# Altium PCB Thunderscope_Rev2.PCBDOC (part 5 of 6) (continued)
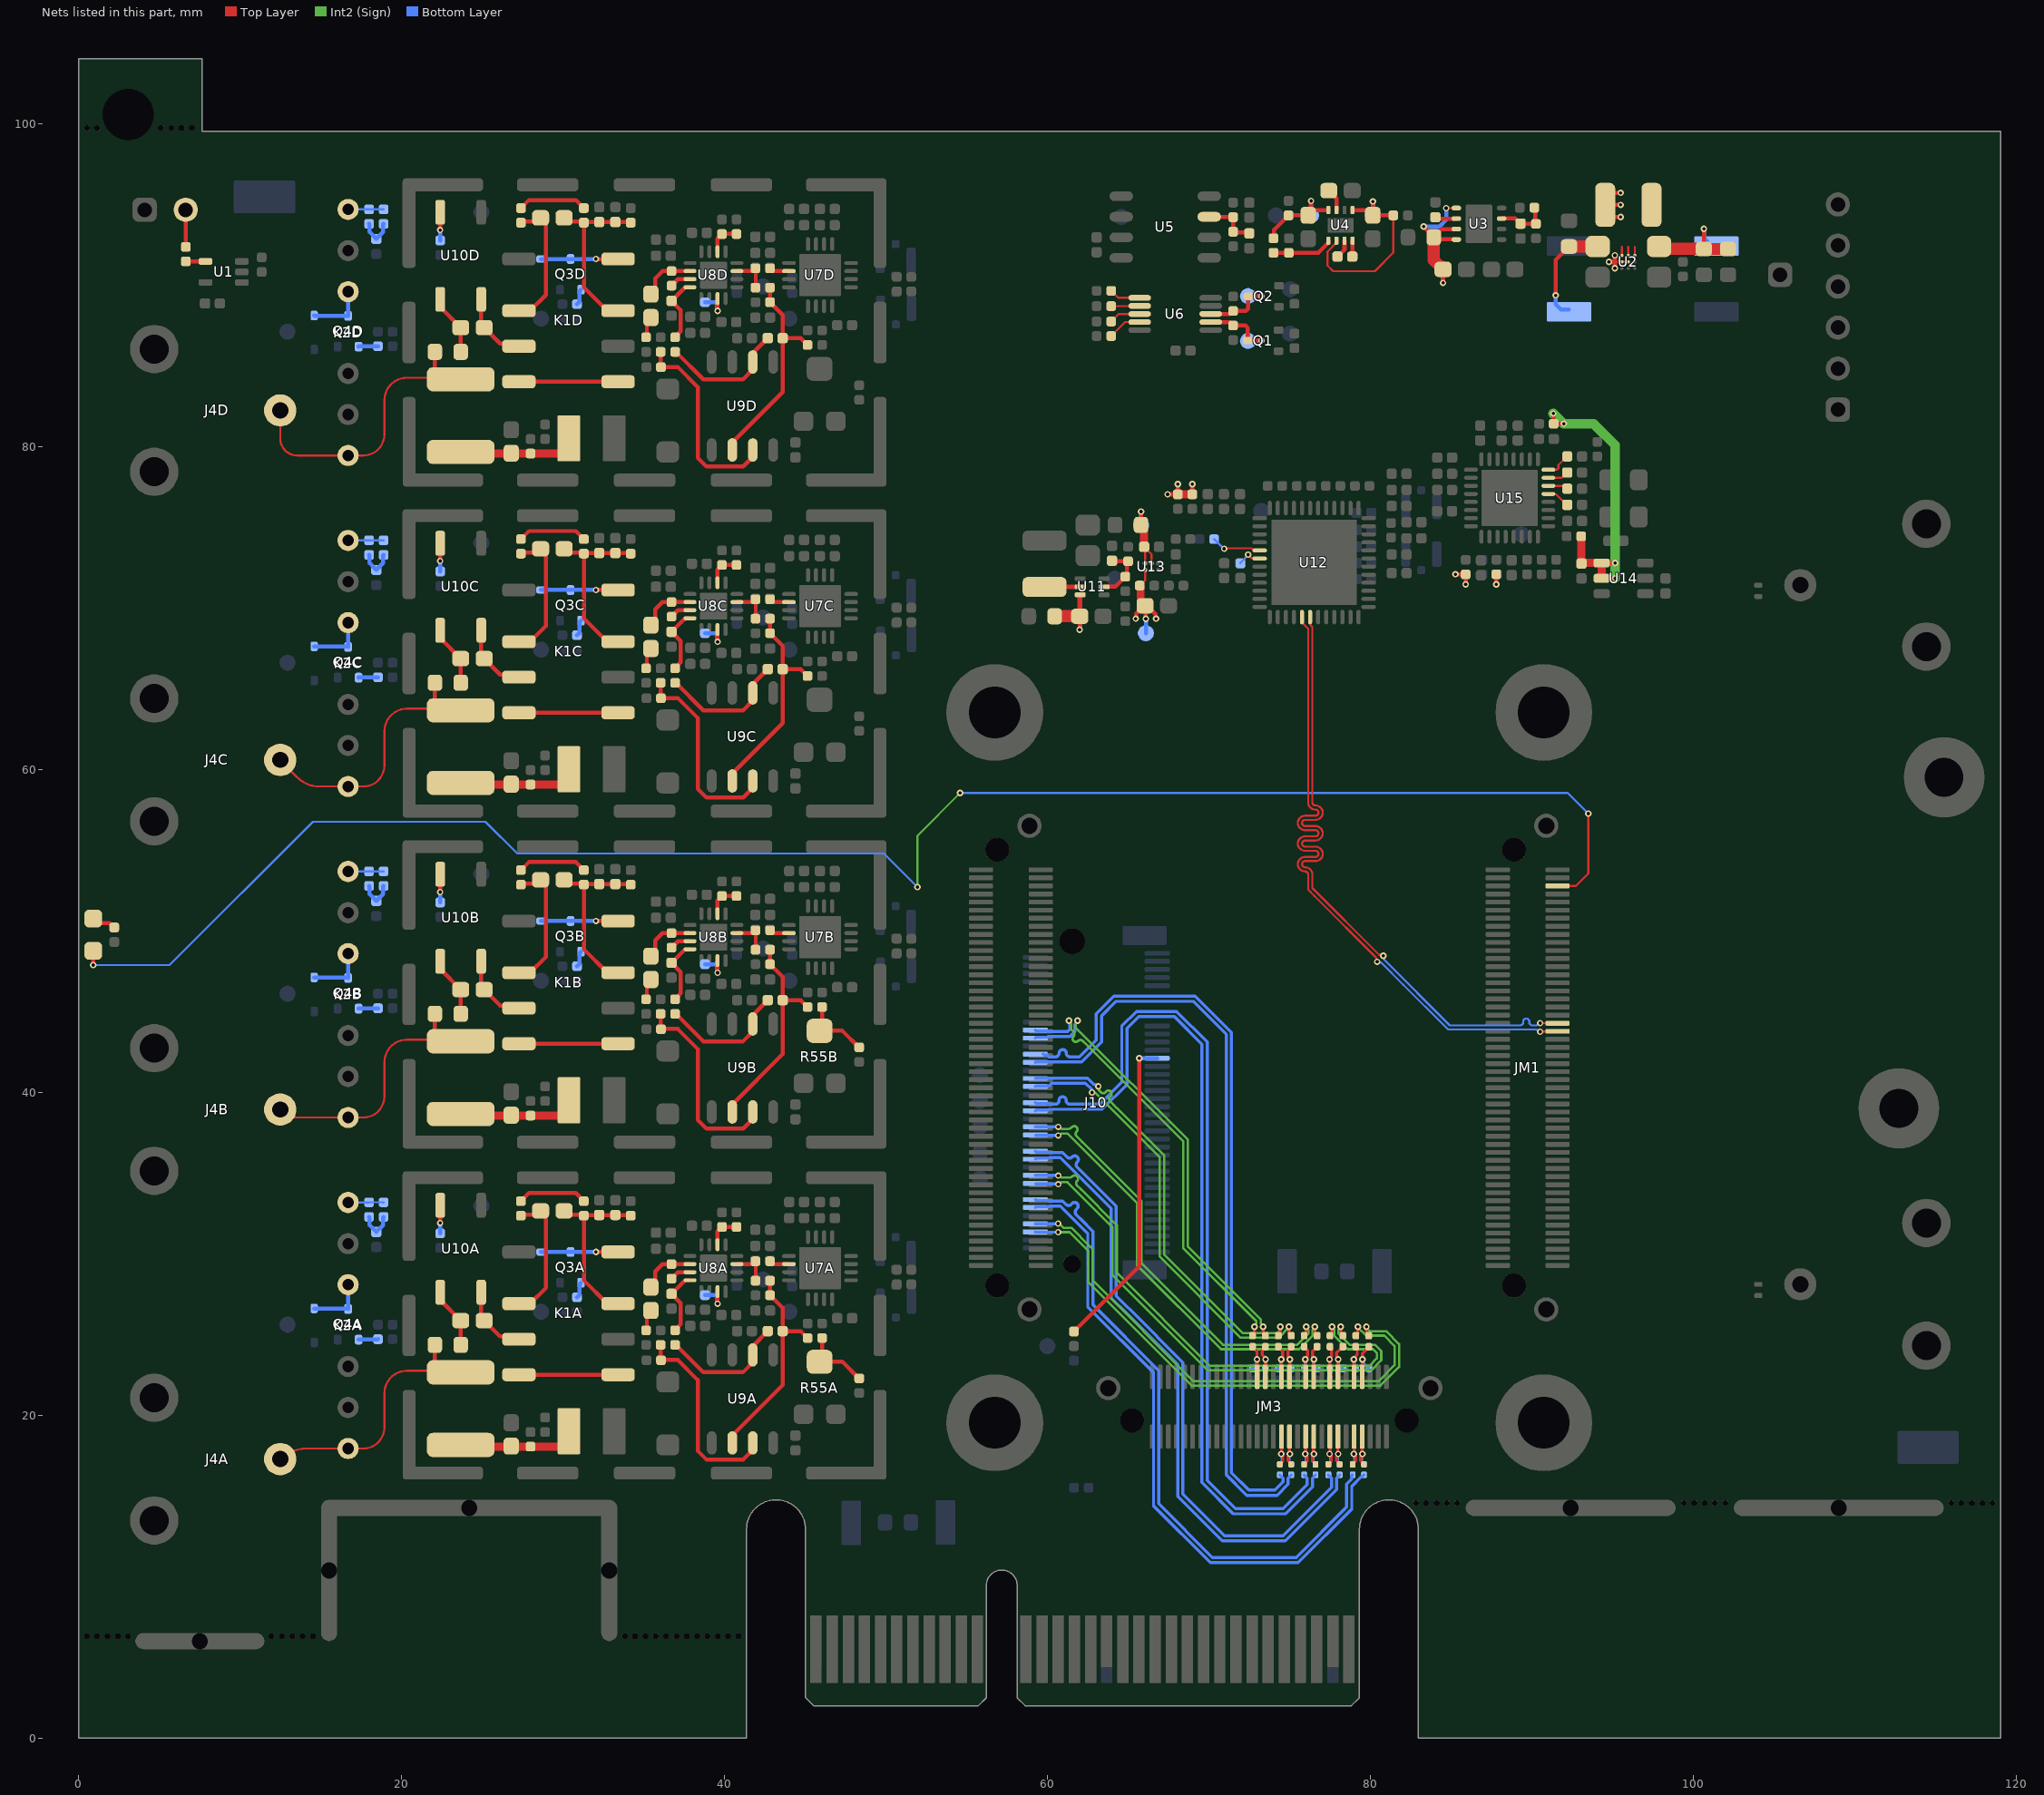
[diagram p9: the nets of this part, all layers, seen from the top]
## Nets (pads, with @x,y where several pads share a name; then routed paths per layer and width w, separated by ;. In a path a pad name is that pad's centre, name@x,y a point inside that pad or via, vN(x,y) a via of type N, cw(c..) or ccw(c..) an arc to the next point about the centre after c; other vN are vias at no path point) (continued)
NetC10_2: C10.2 U3.6 | length 1.3
  Top Layer w0.254: C10.2@84,94.19 84.09,94.1 85.295,94.1 U3.6@85.3,94.105
NetC11_2: C11.2 U4.3 | length 1.4
  Top Layer w0.254: C11.2@77.401,95.834 77.401,95.825 77.876,95.35 U4.3@77.876,94.634
NetC17A_1: C17A.1 K1A.3 U10A.4 | length 4.5
  Top Layer w0.25: K1A.3@27.224,24.669 K1A.3@27.255,24.7 K1A.3@27.224,24.669
  Top Layer w0.254: U10A.4@24.92,27.605 24.92,26.03 26.081,24.869 27.086,24.869 K1A.3@27.255,24.7
NetC17A_2: C17A.2 R65A.2 U10A.3 | length 3.8
  Top Layer w0.254: U10A.3@22.38,27.605 22.38,27.123 23.65,25.853 C17A.2@23.65,25.85 R65A.2@23.65,24.35
NetC17B_1: C17B.1 K1B.3 U10B.4 | length 4.5
  Top Layer w0.25: K1B.3@27.224,45.169 K1B.3@27.255,45.2 K1B.3@27.224,45.169
  Top Layer w0.254: U10B.4@24.92,48.105 24.92,46.53 26.081,45.369 27.086,45.369 K1B.3@27.255,45.2
NetC17B_2: C17B.2 R65B.2 U10B.3 | length 3.8
  Top Layer w0.254: U10B.3@22.38,48.105 22.38,47.623 23.65,46.353 C17B.2@23.65,46.35 R65B.2@23.65,44.85
NetC17C_1: C17C.1 K1C.3 U10C.4 | length 4.5
  Top Layer w0.25: K1C.3@27.224,65.669 K1C.3@27.255,65.7
  Top Layer w0.254: U10C.4@24.92,68.605 24.92,67.03 26.081,65.869 27.086,65.869 K1C.3@27.255,65.7
NetC17C_2: C17C.2 R65C.2 U10C.3 | length 3.8
  Top Layer w0.254: U10C.3@22.38,68.605 22.38,68.123 23.65,66.853 C17C.2@23.65,66.85 R65C.2@23.65,65.35
NetC17D_1: C17D.1 K1D.3 U10D.4 | length 4.5
  Top Layer w0.254: U10D.4@24.92,89.105 24.92,87.53 26.081,86.369 27.086,86.369 K1D.3@27.255,86.2
NetC17D_2: C17D.2 R65D.2 U10D.3 | length 3.8
  Top Layer w0.254: U10D.3@22.38,89.105 22.38,88.623 23.65,87.353 C17D.2@23.65,87.35 R65D.2@23.65,85.85
NetC19A_1: C19A.1 C20A.2 C21A.2 K1A.7 R25A.2 R26A.2 | length 11
  Top Layer w0.25: C19A.1@30.05,32.65 30.287,32.413 31.212,32.413 R25A.2@31.275,32.35 ; K1A.7@33.395,26.9 32.725,26.9 31.275,28.35 R25A.2@31.275,32.35 ; R26A.2@34.175,32.35 34.135,32.39 C20A.2@32.225,32.39 31.315,32.39 R25A.2@31.275,32.35
NetC19A_2: C19A.2 K1A.2 R24A.1 | length 8.3
  Top Layer w0.25: K1A.2@27.255,26.9 27.95,26.9 28.925,27.875 28.925,32.325 C19A.2@28.6,32.65 28.363,32.413 27.438,32.413 R24A.1@27.375,32.35
NetC19B_1: C19B.1 C20B.2 C21B.2 K1B.7 R25B.2 R26B.2 | length 11
  Top Layer w0.25: C19B.1@30.05,53.15 30.287,52.913 31.212,52.913 R25B.2@31.275,52.85 ; K1B.7@33.395,47.4 32.725,47.4 31.275,48.85 R25B.2@31.275,52.85 ; R26B.2@34.175,52.85 34.135,52.89 C20B.2@32.225,52.89 31.315,52.89 R25B.2@31.275,52.85
NetC19B_2: C19B.2 K1B.2 R24B.1 | length 8.3
  Top Layer w0.25: K1B.2@27.255,47.4 27.95,47.4 28.925,48.375 28.925,52.825 C19B.2@28.6,53.15 28.363,52.913 27.438,52.913 R24B.1@27.375,52.85
NetC19C_1: C19C.1 C20C.2 C21C.2 K1C.7 R25C.2 R26C.2 | length 11
  Top Layer w0.25: C19C.1@30.05,73.65 30.287,73.413 31.212,73.413 R25C.2@31.275,73.35 ; K1C.7@33.395,67.9 32.725,67.9 31.275,69.35 R25C.2@31.275,73.35 ; R26C.2@34.175,73.35 34.135,73.39 C20C.2@32.225,73.39 31.315,73.39 R25C.2@31.275,73.35
NetC19C_2: C19C.2 K1C.2 R24C.1 | length 8.3
  Top Layer w0.25: K1C.2@27.255,67.9 27.95,67.9 28.925,68.875 28.925,73.325 C19C.2@28.6,73.65 28.363,73.413 27.438,73.413 R24C.1@27.375,73.35
NetC19D_1: C19D.1 C20D.2 C21D.2 K1D.7 R25D.2 R26D.2 | length 11
  Top Layer w0.25: C19D.1@30.05,94.15 30.287,93.913 31.212,93.913 R25D.2@31.275,93.85 ; K1D.7@33.395,88.4 32.725,88.4 31.275,89.85 R25D.2@31.275,93.85 ; R26D.2@34.175,93.85 34.135,93.89 C20D.2@32.225,93.89 31.315,93.89 R25D.2@31.275,93.85
NetC19D_2: C19D.2 K1D.2 R24D.1 | length 8.3
  Top Layer w0.25: K1D.2@27.255,88.4 27.95,88.4 28.925,89.375 28.925,93.825 C19D.2@28.6,94.15 28.363,93.913 27.438,93.913 R24D.1@27.375,93.85
NetC27A_1: C27A.1 R34A.2 U8A.2 | length 3.4
  Top Layer w0.25: C27A.1@35.425,27.925 35.7,28.2 35.7,28.9 36.15,29.35 R34A.2@36.7,29.35 37.575,29.35 U8A.2@37.85,29.35
NetC27A_2: C27A.2 R31A.2 | length 1.5
  Top Layer w0.25: C27A.2@35.113,26.162 35.175,26.099 R31A.2@35.175,25.301 ; C27A.2@35.125,26.175 35.275,26.325 C27A.2@35.425,26.475 ; R31A.2@35.125,25.25 R31A.2@35.175,25.301 ; R31A.2@35.125,25.25 R31A.2@35.175,25.301 ; R31A.2@35.125,25.25 R31A.2@35.175,25.301
NetC27B_1: C27B.1 R34B.2 U8B.2 | length 3.4
  Top Layer w0.25: C27B.1@35.425,48.425 35.7,48.7 35.7,49.4 36.15,49.85 R34B.2@36.7,49.85 37.575,49.85 U8B.2@37.85,49.85
NetC27B_2: C27B.2 R31B.2 | length 1.5
  Top Layer w0.25: C27B.2@35.113,46.662 35.175,46.599 R31B.2@35.175,45.801 ; C27B.2@35.125,46.675 35.275,46.825 C27B.2@35.425,46.975 ; R31B.2@35.125,45.75 R31B.2@35.175,45.801 ; R31B.2@35.125,45.75 R31B.2@35.175,45.801 ; R31B.2@35.125,45.75 R31B.2@35.175,45.801
NetC27C_1: C27C.1 R34C.2 U8C.2 | length 3.4
  Top Layer w0.25: C27C.1@35.425,68.925 35.7,69.2 35.7,69.9 36.15,70.35 R34C.2@36.7,70.35 37.575,70.35 U8C.2@37.85,70.35
NetC27C_2: C27C.2 R31C.2 | length 1.5
  Top Layer w0.25: C27C.2@35.113,67.162 35.175,67.1 R31C.2@35.175,66.301 ; C27C.2@35.125,67.175 35.275,67.325 C27C.2@35.425,67.475 ; R31C.2@35.125,66.25 R31C.2@35.175,66.301 ; R31C.2@35.125,66.25 R31C.2@35.175,66.301 ; R31C.2@35.125,66.25 R31C.2@35.175,66.301
NetC27D_1: C27D.1 R34D.2 U8D.2 | length 3.4
  Top Layer w0.25: C27D.1@35.425,89.425 35.7,89.7 35.7,90.4 36.15,90.85 R34D.2@36.7,90.85 37.575,90.85 U8D.2@37.85,90.85
NetC27D_2: C27D.2 R31D.2 | length 1.5
  Top Layer w0.25: C27D.2@35.113,87.662 35.175,87.599 R31D.2@35.175,86.801 ; C27D.2@35.125,87.675 35.275,87.825 C27D.2@35.425,87.975 ; R31D.2@35.125,86.75 R31D.2@35.175,86.801 ; R31D.2@35.125,86.75 R31D.2@35.175,86.801 ; R31D.2@35.125,86.75 R31D.2@35.175,86.801
NetC29A_2: C29A.2 R48A.1 U8A.4 | length 4.1
  Top Layer w0.25: R48A.1@36.925,25.25 36.925,25.264 37.1,25.439 37.1,25.453 37.275,25.628 37.275,26.935 C29A.2@36.7,27.51 37.289,28.099 37.291,28.099 37.542,28.35 U8A.4@37.85,28.35
NetC29B_2: C29B.2 R48B.1 U8B.4 | length 4.1
  Top Layer w0.25: R48B.1@36.925,45.75 36.925,45.764 37.1,45.939 37.1,45.953 37.275,46.128 37.275,47.435 C29B.2@36.7,48.01 37.289,48.599 37.291,48.599 37.542,48.85 U8B.4@37.85,48.85
NetC29C_2: C29C.2 R48C.1 U8C.4 | length 4.1
  Top Layer w0.25: R48C.1@36.925,66.25 36.925,66.264 37.1,66.439 37.1,66.453 37.275,66.628 37.275,67.935 C29C.2@36.7,68.51 37.289,69.1 37.291,69.1 37.542,69.35 U8C.4@37.85,69.35
NetC29D_2: C29D.2 R48D.1 U8D.4 | length 4.1
  Top Layer w0.25: R48D.1@36.925,86.75 36.925,86.764 37.1,86.939 37.1,86.953 37.275,87.128 37.275,88.435 C29D.2@36.7,89.01 37.289,89.6 37.291,89.6 37.542,89.85 U8D.4@37.85,89.85
NetC30A_1: C30A.1 R48A.2 U9A.6 | length 8.1
  Top Layer w0.25: R48A.2@36.925,24.35 36.972,24.35 38.672,22.65 41.125,22.65 41.735,23.26 41.735,24.27 C30A.1@42.665,25.2
NetC30A_2: C30A.2 R43A.1 R47A.2 R52A.2 U9A.2 | length 13.4
  Top Layer w0.25: U9A.2@40.465,18.275 40.465,18.74 43.585,21.86 C30A.2@43.585,25.2 ; R43A.1@42.8,28.325 R47A.2@42.8,27.425 43.585,26.64 C30A.2@43.585,25.2 ; R52A.2@45.125,24.775 44.7,25.2 C30A.2@43.585,25.2
NetC30B_1: C30B.1 R48B.2 U9B.6 | length 8.1
  Top Layer w0.25: R48B.2@36.925,44.85 36.972,44.85 38.672,43.15 41.125,43.15 41.735,43.76 41.735,44.77 C30B.1@42.665,45.7
NetC30B_2: C30B.2 R43B.1 R47B.2 R52B.2 U9B.2 | length 13.4
  Top Layer w0.25: U9B.2@40.465,38.775 40.465,39.24 43.585,42.36 C30B.2@43.585,45.7 ; R43B.1@42.8,48.825 R47B.2@42.8,47.925 43.585,47.14 C30B.2@43.585,45.7 ; R52B.2@45.125,45.275 44.7,45.7 C30B.2@43.585,45.7
NetC30C_1: C30C.1 R48C.2 U9C.6 | length 8.1
  Top Layer w0.25: R48C.2@36.925,65.35 36.972,65.35 38.672,63.65 41.125,63.65 41.735,64.26 41.735,65.27 C30C.1@42.665,66.2
NetC30C_2: C30C.2 R43C.1 R47C.2 R52C.2 U9C.2 | length 13.4
  Top Layer w0.25: U9C.2@40.465,59.275 40.465,59.74 43.585,62.86 C30C.2@43.585,66.2 ; R43C.1@42.8,69.325 R47C.2@42.8,68.425 43.585,67.64 C30C.2@43.585,66.2 ; R52C.2@45.125,65.775 44.7,66.2 C30C.2@43.585,66.2
NetC30D_1: C30D.1 R48D.2 U9D.6 | length 8.1
  Top Layer w0.25: R48D.2@36.925,85.85 36.972,85.85 38.672,84.15 41.125,84.15 41.735,84.76 41.735,85.77 C30D.1@42.665,86.7
NetC30D_2: C30D.2 R43D.1 R47D.2 R52D.2 U9D.2 | length 13.4
  Top Layer w0.25: U9D.2@40.465,79.775 40.465,80.24 43.585,83.36 C30D.2@43.585,86.7 ; R43D.1@42.8,89.825 R47D.2@42.8,88.925 43.585,88.14 C30D.2@43.585,86.7 ; R52D.2@45.125,86.275 44.7,86.7 C30D.2@43.585,86.7
NetC51_1: C51.1 R37.1 R39.2 U11.5 | length 3.6
  Top Layer w0.254: U11.5@63.49,71.3 64.175,71.3 64.9,72.025 64.9,72.8 R37.1@64.975,72.875 64.955,72.895 63.995,72.895 C51.1@63.975,72.915
NetC52_2: C52.2 R36.2 TP27.1 U11.3 | length 4.5
  Top Layer w0.254: v1(61.975,68.645) C52.2@61.975,69.475 C52.2@61.992,69.492 ; U11.3@61.992,70.782 U11.3@62.01,70.8
  Top Layer w0.3: C52.2@61.992,69.492 U11.3@61.992,70.782
  Top Layer w0.75: R36.2@60.425,69.475 C52.2@61.975,69.475
  Bottom Layer w0.254: v1(61.975,68.645) TP27.1@61.975,69.475
NetC59_2: C59.2 R58.2 TP36.1 U13.A2 U13.B2 | length 5.3
  Top Layer w0.127: C59.2@65.965,73.775 C59.2@66.025,73.715 ; U13.A2@66.025,72.75 C59.2@66.025,73.715 ; U13.B2@66.425,72.75 66.425,73.315 C59.2@66.025,73.715
  Top Layer w0.254: R58.2@65.775,75.125 v1(65.775,75.955)
  Top Layer w0.5: R58.2@65.775,75.125 65.965,74.935 C59.2@65.965,73.775
  Bottom Layer w0.254: TP36.1@65.775,75.125 v1(65.775,75.955)
NetC60_2: C60.2 FB1.1 FB2.1 FB3.1 FB4.1 R59.2 TP37.1 U13.A1 | length 11.1
  Top Layer w0.127: R59.2@65.7,71.375 66.025,71.7 U13.A1@66.025,72.35
  Top Layer w0.254: v1(65.45,69.325) 65.465,69.34 65.465,69.628 65.962,70.125 65.975,70.125 C60.2@66.025,70.125 ; v1(66.075,69.32) 66.05,69.345 66.05,70.1 C60.2@66.025,70.125 ; v1(66.7,69.325) 66.671,69.354 66.671,69.589 66.135,70.125 C60.2@66.025,70.125 ; v1(67.42,77.025) FB2.1@68.05,77.025 v1(68.05,77.655) ; FB1.1@68.95,77.025 v1(68.95,77.655) ; v1(85.245,72.075) FB3.1@85.875,72.075 v1(85.875,71.445) ; v1(87.775,71.445) FB4.1@87.775,72.075
  Top Layer w0.5: R59.2@65.7,71.375 65.75,71.325 65.75,70.35 C60.2@65.975,70.125 ; FB2.1@68.05,77.025 FB1.1@68.95,77.025
  Bottom Layer w0.254: TP37.1@66.075,68.425 v1(66.075,69.32)
NetC92_2: C92.2 FB5.1 FB6.1 U14.1 U14.2 | length 19.8
  Top Layer w0.254: v1(91.3,82.03) 91.312,82.018 91.312,81.412 91.3,81.4 FB5.1@91.325,81.4 v1(91.955,81.4) ; U14.2@94.3,71.825 v1(95.13,71.825) ; U14.1@94.3,72.775 v1(95.13,72.775)
  Top Layer w0.5: FB6.1@93.025,74.425 93.037,74.413 93.037,72.748 C92.2@93.05,72.735 93.09,72.775 U14.1@94.3,72.775 U14.2@94.3,71.825
  Int2 (Sign) w0.6: v1(91.3,82.03) 91.312,82.03 91.943,81.4 v1(91.955,81.4) 93.8,81.4 95.13,80.07 v1(95.13,72.775) v1(95.13,71.825)
NetC96_1: C96.1 U15.8 | length 1.6
  Top Layer w0.127: U15.8@91,78.55 91.551,78.55 91.625,78.624 91.625,78.835 C96.1@92.165,79.375
NetC97_1: C97.1 U15.7 | length 1.3
  Top Layer w0.127: U15.7@91,78.05 91.834,78.05 92.159,78.375 C97.1@92.165,78.375
NetC98_1: C98.1 U15.6 | length 1.2
  Top Layer w0.127: U15.6@91,77.55 91.99,77.55 C98.1@92.165,77.375
NetC99_1: C99.1 U15.5 | length 1.4
  Top Layer w0.127: U15.5@91,77.05 91.024,77.026 91.484,77.026 92.136,76.375 C99.1@92.165,76.375
NetC100_2: C100.2 R14.1 R16.2 U5.3 | length 3.4
  Top Layer w0.254: U5.3@70,94.215 70.013,94.203 71.463,94.203 R16.2@71.475,94.19 R14.1@71.475,93.29 71.528,93.238 72.422,93.238 C100.2@72.475,93.185
NetC101A_1: C101A.1 GDT1A.2 R99A.2 VAR1A.2 | length 7.5
  Top Layer w0.127: VAR1A.2@29.714,18.25 30.35,18.886 VAR1A.2@30.35,19
  Top Layer w0.5: GDT1A.2@23.85,18.05 C101A.1@26.75,18.05 ; C101A.1@26.8,18.05 R99A.2@27.975,18.05 VAR1A.2@30.4,18.05
NetC101B_1: C101B.1 GDT1B.2 R99B.2 VAR1B.2 | length 7.5
  Top Layer w0.127: VAR1B.2@29.714,38.75 30.35,39.386 VAR1B.2@30.35,39.5
  Top Layer w0.5: GDT1B.2@23.85,38.55 C101B.1@26.75,38.55 ; C101B.1@26.8,38.55 R99B.2@27.975,38.55 VAR1B.2@30.4,38.55
NetC101C_1: C101C.1 GDT1C.2 R99C.2 VAR1C.2 | length 7.5
  Top Layer w0.127: VAR1C.2@29.714,59.25 30.35,59.886 VAR1C.2@30.35,60
  Top Layer w0.5: GDT1C.2@23.85,59.05 C101C.1@26.75,59.05 ; C101C.1@26.8,59.05 R99C.2@27.975,59.05 VAR1C.2@30.4,59.05
NetC101D_1: C101D.1 GDT1D.2 R99D.2 VAR1D.2 | length 7.8
  Top Layer w0.127: VAR1D.2@29.714,79.75 30.35,80.386 VAR1D.2@30.35,80.5
  Top Layer w0.5: GDT1D.2@23.65,79.75 23.85,79.55 C101D.1@26.75,79.55 ; C101D.1@26.8,79.55 R99D.2@27.975,79.55 29.714,79.55 VAR1D.2@30.4,79.55
NetD1_2: D1.2 R67.1 | length 1.4
  Top Layer w0.254: D1.2@0.9,50.5 0.925,50.475 1.912,50.475 2.188,50.2 R67.1@2.2,50.2
NetD2A_2: D2A.2 K1A.8 Q3A.1 | length 4.8
  Top Layer w0.254: v1(32.025,30.1) K1A.8@33.395,30.1
  Bottom Layer w0.254: D2A.2@28.63,30.1 Q3A.1@30.45,30.1 v1(32.025,30.1)
NetD2B_2: D2B.2 K1B.8 Q3B.1 | length 4.8
  Top Layer w0.254: v1(32.025,50.6) K1B.8@33.395,50.6
  Bottom Layer w0.254: D2B.2@28.63,50.6 Q3B.1@30.45,50.6 v1(32.025,50.6)
NetD2C_2: D2C.2 K1C.8 Q3C.1 | length 4.8
  Top Layer w0.254: v1(32.025,71.1) K1C.8@33.395,71.1
  Bottom Layer w0.254: D2C.2@28.63,71.1 Q3C.1@30.45,71.1 v1(32.025,71.1)
NetD2D_2: D2D.2 K1D.8 Q3D.1 | length 4.8
  Top Layer w0.254: v1(32.025,91.6) K1D.8@33.395,91.6
  Bottom Layer w0.254: D2D.2@28.63,91.6 Q3D.1@30.45,91.6 v1(32.025,91.6)
NetD3A_2: D3A.2 K2A.3 Q4A.1 | length 3.6
  Bottom Layer w0.254: D3A.2@14.575,26.605 14.59,26.59 16.66,26.59 Q4A.1@16.675,26.575 K2A.3@16.675,28.078
NetD3B_2: D3B.2 K2B.3 Q4B.1 | length 3.6
  Bottom Layer w0.254: D3B.2@14.575,47.105 14.59,47.09 16.66,47.09 Q4B.1@16.675,47.075 K2B.3@16.675,48.578
NetD3C_2: D3C.2 K2C.3 Q4C.1 | length 3.6
  Bottom Layer w0.254: D3C.2@14.575,67.605 14.59,67.59 16.66,67.59 Q4C.1@16.675,67.575 K2C.3@16.675,69.078
NetD3D_2: D3D.2 K2D.3 Q4D.1 | length 3.6
  Bottom Layer w0.254: D3D.2@14.575,88.105 14.59,88.09 16.66,88.09 Q4D.1@16.675,88.075 K2D.3@16.675,89.578
NetGDT1A_1: GDT1A.1 J4A.1 K2A.1 R65A.1 | length 16.8
  Top Layer w0.127: J4A.1@12.475,17 J4A.1@12.662,17.187 ; J4A.1@12.475,17.25 cw(c14.118,15.607) 14.118,17.931 K2A.1@16.675,17.931 17.624,17.931 ccw(c17.624,19.232) 18.925,19.232 18.925,21.347 cw(c20.328,21.347) 20.328,22.75 23.529,22.75 GDT1A.1@23.65,22.75
  Top Layer w0.254: GDT1A.1@22.051,22.78 R65A.1@22.051,24.349
NetGDT1B_1: GDT1B.1 J4B.1 K2B.1 R65B.1 | length 16.8
  Top Layer w0.127: J4B.1@12.475,38.65 J4B.1@12.694,38.431 ; J4B.1@12.475,38.9 ccw(c13.608,40.033) 13.608,38.431 K2B.1@16.675,38.431 17.624,38.431 ccw(c17.624,39.732) 18.925,39.732 18.925,41.847 cw(c20.328,41.847) 20.328,43.25 GDT1B.1@23.65,43.25
  Top Layer w0.254: GDT1B.1@22.051,43.28 R65B.1@22.051,44.849
NetGDT1C_1: GDT1C.1 J4C.1 K2C.1 R65C.1 | length 16.9
  Top Layer w0.127: J4C.1@12.475,60.55 13.527,59.498 ccw(c14.896,60.867) 14.896,58.931 K2C.1@16.675,58.931 17.624,58.931 ccw(c17.624,60.232) 18.925,60.232 18.925,62.347 cw(c20.328,62.347) 20.328,63.75 GDT1C.1@23.529,63.75
  Top Layer w0.254: GDT1C.1@22.051,63.78 R65C.1@22.051,65.349
NetGDT1D_1: GDT1D.1 J4D.1 K2D.1 R65D.1 | length 18.8
  Top Layer w0.127: J4D.1@12.475,82.2 12.475,80.477 ccw(c13.521,80.477) 13.521,79.431 K2D.1@16.675,79.431 17.624,79.431 ccw(c17.624,80.732) 18.925,80.732 18.925,82.847 cw(c20.328,82.847) 20.328,84.25 22.081,84.25 GDT1D.1@23.65,84.25
  Top Layer w0.254: R65D.1@22.05,85.85 22.051,85.849 22.051,84.28 GDT1D.1@22.081,84.25
NetJ1_2: J1.2 R1.1 | length 2.2
  Top Layer w0.254: J1.2@6.62,94.5 6.623,94.497 6.623,92.353 R1.1@6.625,92.35
NetK1A_4: K1A.4 K1A.5 | length 6.1
  Top Layer w0.25: K1A.4@27.255,22.5 K1A.5@33.395,22.5
NetK1B_4: K1B.4 K1B.5 | length 6.1
  Top Layer w0.25: K1B.4@27.255,43 K1B.5@33.395,43
NetK1C_4: K1C.4 K1C.5 | length 6.1
  Top Layer w0.25: K1C.4@27.255,63.5 K1C.5@33.395,63.5
NetK1D_4: K1D.4 K1D.5 | length 6.1
  Top Layer w0.25: K1D.4@27.255,84 K1D.5@33.395,84
NetK2A_4: K2A.4 R56A.2 R96A.2 | length 2.2
  Bottom Layer w0.127: K2A.4@16.675,33.169 16.672,33.172 R56A.2@17.975,33.172 ; R56A.2@17.975,33.175 R96A.2@18.875,33.175 R96A.2@18.878,33.172
NetK2B_4: K2B.4 R56B.2 R96B.2 | length 2.2
  Bottom Layer w0.127: K2B.4@16.675,53.669 16.672,53.672 R56B.2@17.975,53.672 ; R56B.2@17.975,53.675 R96B.2@18.875,53.675 R96B.2@18.878,53.672
NetK2C_4: K2C.4 R56C.2 R96C.2 | length 2.2
  Bottom Layer w0.127: K2C.4@16.675,74.169 16.672,74.172 R56C.2@17.975,74.172 ; R56C.2@17.975,74.175 R96C.2@18.875,74.175 R96C.2@18.878,74.172
NetK2D_4: K2D.4 R56D.2 R96D.2 | length 2.2
  Bottom Layer w0.127: K2D.4@16.675,94.669 16.672,94.672 R56D.2@17.975,94.672 ; R56D.2@17.975,94.675 R96D.2@18.875,94.675 R96D.2@18.878,94.672
NetL1_2: L1.2 U2.B1 U2.B2 | length 6.8
  Top Layer w0.127: 95.115,91.425 U2.B1@95.55,91.425 U2.B2@95.95,91.425
  Top Layer w0.254: v1(94.75,91.425) 95.115,91.425 ; L1.2@94.989,94.012 94.515,94.487 L1.2@94.515,94.674 ; L1.2@94.989,95.7 v1(95.475,95.7) ; L1.2@94.989,95.825 94.515,95.351 L1.2@94.515,94.95 ; v1(95.115,91.025) 95.115,91.425 ; v1(95.115,91.825) 95.115,91.425 ; v1(95.475,94.2) 94.989,94.2 L1.2@94.515,94.674 ; v1@95.475,94.958 94.523,94.958 L1.2@94.515,94.95 ; L1.2@94.515,94.674 L1.2@94.515,94.95
  other v1: 95.475,94.95
NetL2_1: L2.1 U11.2 | length 2.2
  Top Layer w0.254: L2.1@59.8,71.29 L2.1@59.805,71.295
  Top Layer w0.3: L2.1@59.81,71.3 U11.2@62.01,71.3
NetL3A_1: L3A.1 R56A.1 R96A.1 | length 2.2
  Bottom Layer w0.25: R56A.1@17.975,32.275 18.01,32.24 18.01,31.768 L3A.1@18.425,31.353 ; L3A.1@18.425,31.34 L3A.1@18.425,31.353 ; R96A.1@18.875,32.275 18.84,32.24 18.84,31.768 L3A.1@18.425,31.353
NetL3B_1: L3B.1 R56B.1 R96B.1 | length 2.2
  Bottom Layer w0.25: R56B.1@17.975,52.775 18.01,52.74 18.01,52.268 L3B.1@18.425,51.853 ; L3B.1@18.425,51.84 L3B.1@18.425,51.853 ; R96B.1@18.875,52.775 18.84,52.74 18.84,52.268 L3B.1@18.425,51.853
NetL3C_1: L3C.1 R56C.1 R96C.1 | length 2.2
  Bottom Layer w0.25: R56C.1@17.975,73.275 18.01,73.24 18.01,72.768 L3C.1@18.425,72.353 ; L3C.1@18.425,72.34 L3C.1@18.425,72.353 ; R96C.1@18.875,73.275 18.84,73.24 18.84,72.768 L3C.1@18.425,72.353
NetL3D_1: L3D.1 R56D.1 R96D.1 | length 2.2
  Bottom Layer w0.25: R56D.1@17.975,93.775 18.01,93.74 18.01,93.268 L3D.1@18.425,92.853 ; L3D.1@18.425,92.84 L3D.1@18.425,92.853 ; R96D.1@18.875,93.775 18.84,93.74 18.84,93.268 L3D.1@18.425,92.853
NetQ1_1: Q1.1 R22.1 TP20.1 U6.2 | length 4.9
  Top Layer w0.254: U6.2@70.09,87.695 71.247,87.695 71.463,87.48 72.242,87.48 72.39,87.331 Q1.1@72.39,86.545 72.393,86.548 73.227,86.548 v1(73.23,86.551)
  Bottom Layer w0.254: TP20.1@72.4,86.525 72.413,86.538 73.217,86.538 v1(73.23,86.551)
NetQ2_1: Q2.1 R23.1 TP21.1 U6.3 | length 4.9
  Top Layer w0.254: U6.3@70.09,88.195 71.278,88.195 71.463,88.38 72.267,88.38 72.415,88.529 Q2.1@72.415,89.295 73.226,89.295 v1(73.23,89.3)
  Bottom Layer w0.254: TP21.1@72.4,89.3 v1(73.23,89.3)
NetQ3A_2: Q3A.2 R27A.1 | length 1
  Bottom Layer w0.254: R27A.1@30.85,27.3 31,27.45 31,28.1 Q3A.2@31.1,28.2
NetQ3B_2: Q3B.2 R27B.1 | length 1
  Bottom Layer w0.254: R27B.1@30.85,47.8 31,47.95 31,48.6 Q3B.2@31.1,48.7
NetQ3C_2: Q3C.2 R27C.1 | length 1
  Bottom Layer w0.254: R27C.1@30.85,68.3 31,68.45 31,69.1 Q3C.2@31.1,69.2
NetQ3D_2: Q3D.2 R27D.1 | length 1
  Bottom Layer w0.254: R27D.1@30.85,88.8 31,88.95 31,89.6 Q3D.2@31.1,89.7
NetQ4A_2: Q4A.2 R97A.1 | length 1.2
  Bottom Layer w0.25: Q4A.2@17.325,24.675 17.337,24.687 18.512,24.687 R97A.1@18.525,24.7
NetQ4B_2: Q4B.2 R97B.1 | length 1.2
  Bottom Layer w0.25: Q4B.2@17.325,45.175 17.337,45.187 18.512,45.187 R97B.1@18.525,45.2
NetQ4C_2: Q4C.2 R97C.1 | length 1.2
  Bottom Layer w0.25: Q4C.2@17.325,65.675 17.337,65.687 18.512,65.687 R97C.1@18.525,65.7
NetQ4D_2: Q4D.2 R97D.1 | length 1.2
  Bottom Layer w0.25: Q4D.2@17.325,86.175 17.337,86.187 18.512,86.187 R97D.1@18.525,86.2
NetR1_2: R1.2 U1.4 | length 1.2
  Top Layer w0.254: R1.2@6.625,91.45 U1.4@7.85,91.45
NetR11_1: R11.1 R13.2 U4.5 | length 3.8
  Top Layer w0.254: R11.1@73.976,91.984 R13.2@74.926,91.984 76.747,91.984 77.376,92.613 U4.5@77.376,92.734
NetR15_2: R15.2 U6.6 | length 1.9
  Top Layer w0.127: R15.2@63.925,89.63 64.36,89.195 U6.6@65.69,89.195
NetR17_2: R17.2 U6.7 | length 1.8
  Top Layer w0.127: R17.2@63.925,88.68 63.933,88.688 65.683,88.688 U6.7@65.69,88.695
NetR18_2: R18.2 U6.8 | length 2
  Top Layer w0.127: R18.2@63.925,87.73 64.39,88.195 U6.8@65.69,88.195
NetR19_2: R19.2 U6.9 | length 2.1
  Top Layer w0.127: R19.2@63.925,86.83 64.79,87.695 U6.9@65.69,87.695
NetR24A_2: R24A.2 R25A.1 | length 4.3
  Top Layer w0.25: R24A.2@27.375,33.25 27.875,33.75 30.775,33.75 R25A.1@31.275,33.25
NetR24B_2: R24B.2 R25B.1 | length 4.3
  Top Layer w0.25: R24B.2@27.375,53.75 27.875,54.25 30.775,54.25 R25B.1@31.275,53.75
NetR24C_2: R24C.2 R25C.1 | length 4.3
  Top Layer w0.25: R24C.2@27.375,74.25 27.875,74.75 30.775,74.75 R25C.1@31.275,74.25
NetR24D_2: R24D.2 R25D.1 | length 4.3
  Top Layer w0.25: R24D.2@27.375,94.75 27.875,95.25 30.775,95.25 R25D.1@31.275,94.75
NetR32A_1: R32A.1 U8A.7 | length 2
  Top Layer w0.127: U8A.7@39.55,27.65 U8A.7@39.553,27.647 ; v1@39.553,26.895 v1(39.555,26.892)
  Top Layer w0.25: v1@39.553,26.895 U8A.7@39.553,27.647
  Bottom Layer w0.25: R32A.1@38.775,27.425 39.409,27.425 39.555,27.279 v1(39.555,26.892)
NetR32B_1: R32B.1 U8B.7 | length 2
  Top Layer w0.127: U8B.7@39.55,48.15 U8B.7@39.553,48.147 ; v1@39.553,47.395 v1(39.555,47.392)
  Top Layer w0.25: v1@39.553,47.395 U8B.7@39.553,48.147
  Bottom Layer w0.25: R32B.1@38.775,47.925 39.409,47.925 39.555,47.779 v1(39.555,47.392)
NetR32C_1: R32C.1 U8C.7 | length 2
  Top Layer w0.127: U8C.7@39.55,68.65 U8C.7@39.553,68.647 ; v1@39.553,67.895 v1(39.555,67.892)
  Top Layer w0.25: v1@39.553,67.895 U8C.7@39.553,68.647
  Bottom Layer w0.25: R32C.1@38.775,68.425 39.409,68.425 39.555,68.279 v1(39.555,67.892)
NetR32D_1: R32D.1 U8D.7 | length 2
  Top Layer w0.127: U8D.7@39.55,89.15 U8D.7@39.553,89.147 ; v1@39.553,88.395 v1(39.555,88.392)
  Top Layer w0.25: v1@39.553,88.395 U8D.7@39.553,89.147
  Bottom Layer w0.25: R32D.1@38.775,88.925 39.409,88.925 39.555,88.779 v1(39.555,88.392)
NetR33A_1: R33A.1 R43A.2 U8A.11 | length 2.4
  Top Layer w0.127: R33A.1@41.725,29.35 R33A.1@41.9,29.525 R33A.1@41.918,29.507 ; R43A.2@41.9,28.325 R43A.2@41.918,28.343
  Top Layer w0.25: U8A.11@40.75,29.35 R33A.1@41.725,29.35 ; R43A.2@41.918,28.343 R33A.1@41.918,29.507
NetR33A_2: R33A.2 U7A.6 | length 1.2
  Top Layer w0.127: R33A.2@42.8,29.525 R33A.2@42.975,29.35
  Top Layer w0.25: R33A.2@42.975,29.35 U7A.6@43.975,29.35
NetR33B_1: R33B.1 R43B.2 U8B.11 | length 2.4
  Top Layer w0.127: R33B.1@41.725,49.85 R33B.1@41.9,50.025 R33B.1@41.918,50.007 ; R43B.2@41.9,48.825 R43B.2@41.918,48.843
  Top Layer w0.25: U8B.11@40.75,49.85 R33B.1@41.725,49.85 ; R43B.2@41.918,48.843 R33B.1@41.918,50.007
NetR33B_2: R33B.2 U7B.6 | length 1.2
  Top Layer w0.127: R33B.2@42.8,50.025 R33B.2@42.975,49.85
  Top Layer w0.25: R33B.2@42.975,49.85 U7B.6@43.975,49.85
NetR33C_1: R33C.1 R43C.2 U8C.11 | length 2.4
  Top Layer w0.127: R33C.1@41.725,70.35 R33C.1@41.9,70.525 R33C.1@41.918,70.507 ; R43C.2@41.9,69.325 R43C.2@41.918,69.343
  Top Layer w0.25: U8C.11@40.75,70.35 R33C.1@41.725,70.35 ; R43C.2@41.918,69.343 R33C.1@41.918,70.507
NetR33C_2: R33C.2 U7C.6 | length 1.2
  Top Layer w0.127: R33C.2@42.8,70.525 R33C.2@42.975,70.35
  Top Layer w0.25: R33C.2@42.975,70.35 U7C.6@43.975,70.35
NetR33D_1: R33D.1 R43D.2 U8D.11 | length 2.4
  Top Layer w0.127: R33D.1@41.725,90.85 R33D.1@41.9,91.025 R33D.1@41.918,91.007 ; R43D.2@41.9,89.825 R43D.2@41.918,89.843
  Top Layer w0.25: U8D.11@40.75,90.85 R33D.1@41.725,90.85 ; R43D.2@41.918,89.843 R33D.1@41.918,91.007
NetR33D_2: R33D.2 U7D.6 | length 1.2
  Top Layer w0.127: R33D.2@42.8,91.025 R33D.2@42.975,90.85
  Top Layer w0.25: R33D.2@42.975,90.85 U7D.6@43.975,90.85
NetR34A_1: R34A.1 U8A.3 | length 1.3
  Top Layer w0.25: R34A.1@36.7,28.45 37.1,28.85 U8A.3@37.85,28.85
NetR34B_1: R34B.1 U8B.3 | length 1.3
  Top Layer w0.25: R34B.1@36.7,48.95 37.1,49.35 U8B.3@37.85,49.35
NetR34C_1: R34C.1 U8C.3 | length 1.3
  Top Layer w0.25: R34C.1@36.7,69.45 37.1,69.85 U8C.3@37.85,69.85
NetR34D_1: R34D.1 U8D.3 | length 1.3
  Top Layer w0.25: R34D.1@36.7,89.95 37.1,90.35 U8D.3@37.85,90.35
NetR35A_2: R35A.2 U10A.2 | length 1.7
  Top Layer w0.254: v1(22.375,31.895) 22.378,31.897 22.378,32.992 U10A.2@22.38,32.995
  Bottom Layer w0.254: R35A.2@22.375,31.25 v1(22.375,31.895)
NetR35B_2: R35B.2 U10B.2 | length 1.7
  Top Layer w0.254: v1(22.375,52.395) 22.378,52.397 22.378,53.492 U10B.2@22.38,53.495
  Bottom Layer w0.254: R35B.2@22.375,51.75 v1(22.375,52.395)
NetR35C_2: R35C.2 U10C.2 | length 1.7
  Top Layer w0.254: v1(22.375,72.895) 22.378,72.897 22.378,73.993 U10C.2@22.38,73.995
  Bottom Layer w0.254: R35C.2@22.375,72.25 v1(22.375,72.895)
NetR35D_2: R35D.2 U10D.2 | length 1.7
  Top Layer w0.254: v1(22.375,93.395) 22.378,93.397 22.378,94.493 U10D.2@22.38,94.495
  Bottom Layer w0.254: R35D.2@22.375,92.75 v1(22.375,93.395)
NetR41A_1: R41A.1 R49A.2 U9A.3 | length 12.4
  Top Layer w0.25: R49A.2@36.025,24.35 36.037,24.337 36.037,23.412 37.088,23.412 38.325,22.175 38.325,17.785 38.86,17.25 41.15,17.25 41.735,17.835 U9A.3@41.735,18.275
NetR41B_1: R41B.1 R49B.2 U9B.3 | length 12.4
  Top Layer w0.25: R49B.2@36.025,44.85 36.037,44.837 36.037,43.912 37.088,43.912 38.325,42.675 38.325,38.285 38.86,37.75 41.15,37.75 41.735,38.335 U9B.3@41.735,38.775
NetR41C_1: R41C.1 R49C.2 U9C.3 | length 12.4
  Top Layer w0.25: R49C.2@36.025,65.35 36.037,65.337 36.037,64.413 37.088,64.413 38.325,63.175 38.325,58.785 38.86,58.25 41.15,58.25 41.735,58.835 U9C.3@41.735,59.275
NetR41D_1: R41D.1 R49D.2 U9D.3 | length 12.4
  Top Layer w0.25: R49D.2@36.025,85.85 36.037,85.837 36.037,84.912 37.088,84.912 38.325,83.675 38.325,79.285 38.86,78.75 41.15,78.75 41.735,79.335 U9D.3@41.735,79.775
NetR44_1: R44.1 U12.5 | length 3.1
  Top Layer w0.127: v1(70.925,73.656) 70.953,73.684 72.626,73.684 72.76,73.55 U12.5@73.118,73.55
  Bottom Layer w0.127: R44.1@70.3,74.25 70.316,74.25 70.909,73.656 v1(70.925,73.656)
NetR46_1: R46.1 U12.6 | length 1.6
  Top Layer w0.127: v1(72.406,73.29) 72.406,73.284 72.62,73.07 73.098,73.07 U12.6@73.118,73.05
  Bottom Layer w0.127: R46.1@71.925,72.75 71.925,72.779 72.406,73.261 v1(72.406,73.29)
NetR50A_2: R50A.2 R51A.2 U8A.14 | length 2.1
  Top Layer w0.25: U8A.14@39.55,30.55 39.55,31.361 39.825,31.636 R51A.2@39.825,31.65 R50A.2@40.725,31.65
NetR50B_2: R50B.2 R51B.2 U8B.14 | length 2.1
  Top Layer w0.25: U8B.14@39.55,51.05 39.55,51.861 39.825,52.136 R51B.2@39.825,52.15 R50B.2@40.725,52.15
NetR50C_2: R50C.2 R51C.2 U8C.14 | length 2.1
  Top Layer w0.25: U8C.14@39.55,71.55 39.55,72.361 39.825,72.636 R51C.2@39.825,72.65 R50C.2@40.725,72.65
NetR50D_2: R50D.2 R51D.2 U8D.14 | length 2.1
  Top Layer w0.25: U8D.14@39.55,92.05 39.55,92.861 39.825,93.136 R51D.2@39.825,93.15 R50D.2@40.725,93.15
NetR52A_1: R52A.1 R54A.2 R55A.2 | length 4.4
  Top Layer w0.25: R52A.1@46.025,24.775 46.025,23.45 R55A.2@45.875,23.3 47.278,23.3 48.303,22.275 R54A.2@48.325,22.275
NetR52B_1: R52B.1 R54B.2 R55B.2 | length 4.4
  Top Layer w0.25: R52B.1@46.025,45.275 46.025,43.95 R55B.2@45.875,43.8 47.278,43.8 48.303,42.775 R54B.2@48.325,42.775